# KiCad board panelized.kicad_pcb (continued)
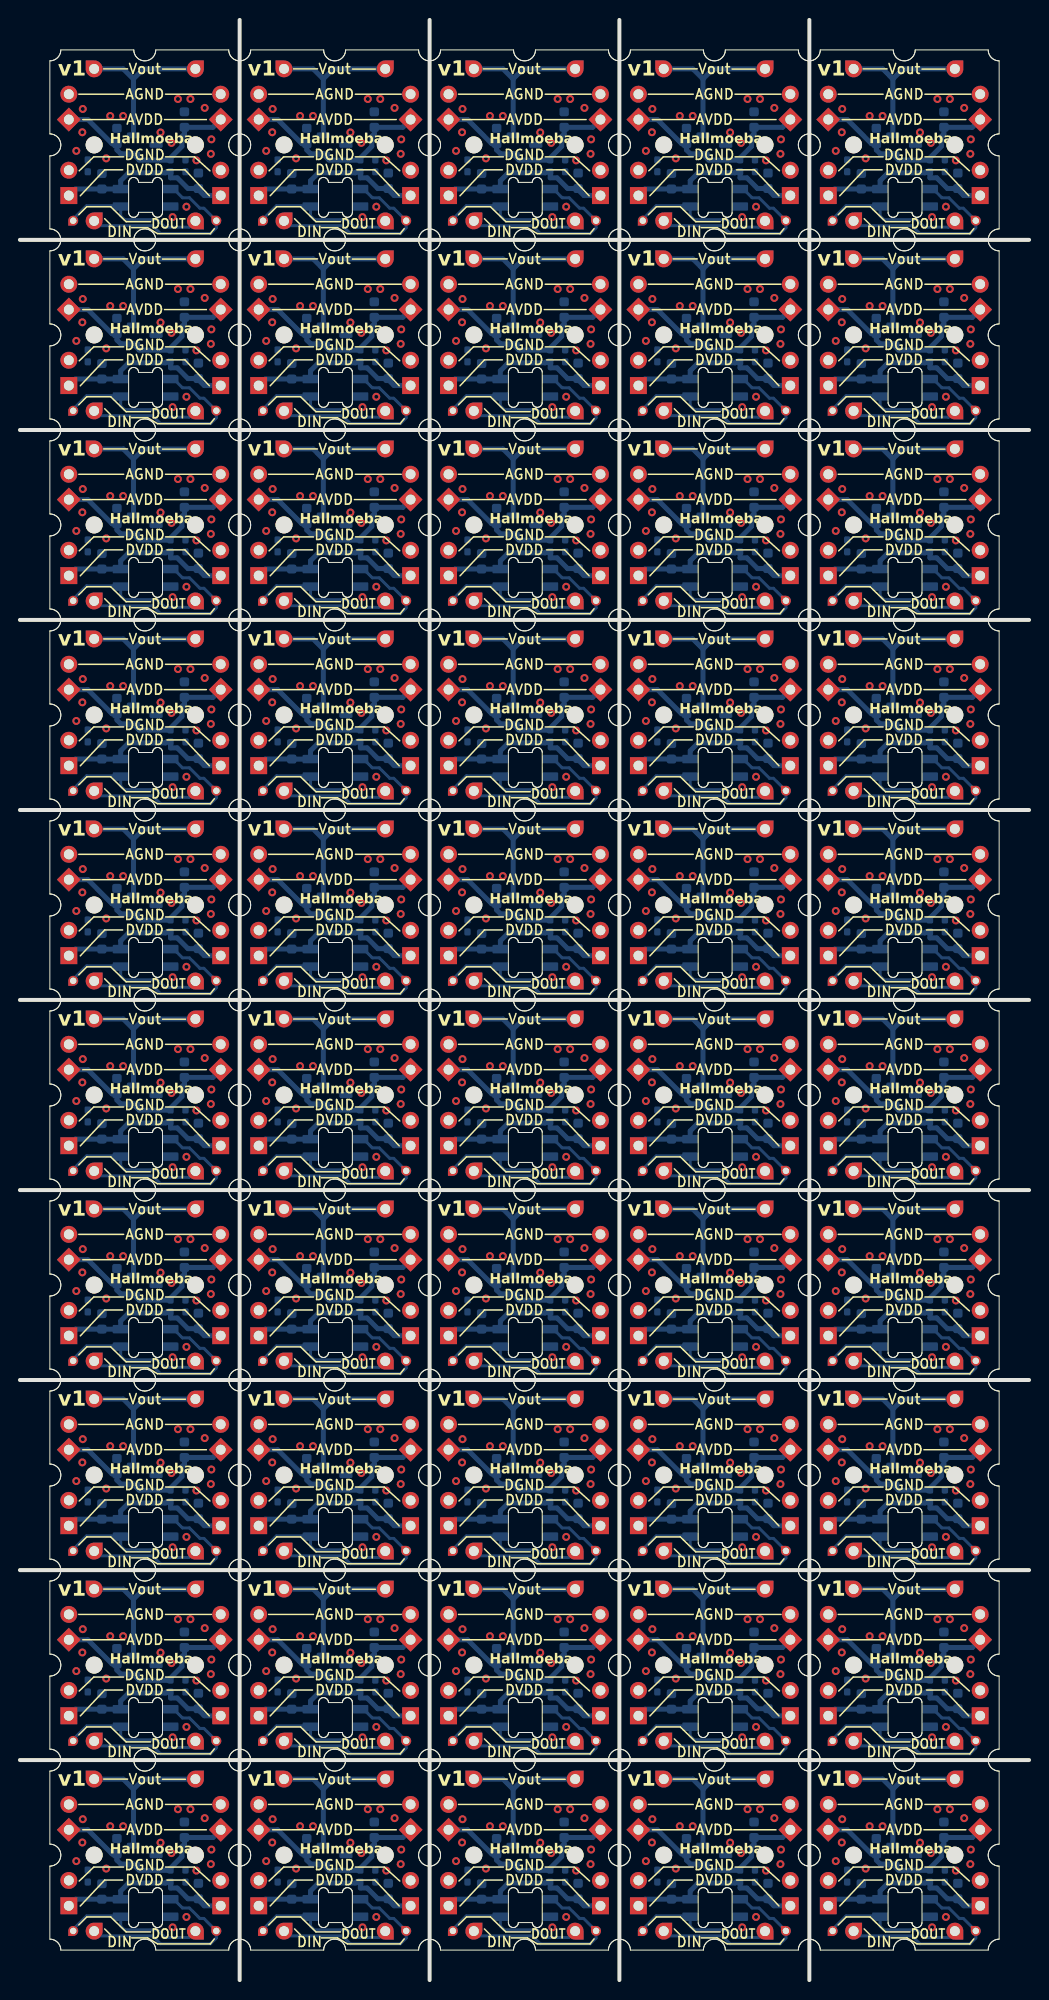
[diagram p0: board, top side]
## Routing (per net, layer and track width the routed paths; a pad name or vN(x,y) marks a point on that pad's centre or on a via; arc(x,y) is an arc through that point) (continued)
Board_12-LED_OUT: length 14.7
  Bottom w0.3: J11#16.1 43.44,138.44 44.78,139.78 48.13,139.78 D1#41.2 48.21,138.77 48.59,138.38 51.9,138.38 52.66,137.62 55.07,137.62 J12#7.1
Board_12-VDD: length 17.9
  Bottom w0.5: C2#17.2 54.96,141.5 53.88,142.57 53.21,142.57 R3#24.1 52.81,143.18 52.71,143.07 49,143.07 48.21,142.28 D1#41.1 46.33,141.45 C1#22.2 43.67,141.46 J2#17.1 ; J1#49.1 56.59,140.8 56.09,141.3
Board_12-VDDA: length 20.1
  Bottom w0.5: J6#3.1 57.47,147.64 C3#4.2 54.6,146.97 54.35,146.72 54.35,145.72 53.21,144.57 R3#24.2 53.18,144.35 50.06,144.35 U1.1 49.43,144.99 48.21,144.99 47.83,145.37 C4#30.2 47.34,145.99 44.91,148.42 J5#42.1
Board_12-Vout: length 16.7
  Bottom w0.5: U1.2 49.49,152.47 ; 49.49,152.47 49.49,152.48 50.5,153.5 J9#48.1 ; 49.49,152.47 48.47,153.5 J10#39.1
Board_13-GNDA:
  vias: v1(62.81,145.28) v1(63.46,149.47) v1(63.41,147.14) v1(65.81,144.53) v1(66.21,148.78) v1(67.5,148.78) v1(71.25,147.12) v1(72.35,146.07) v1(73,150.47) v1(74.25,150.47) v1(74.85,144.32) v1(75.69,149.58) v1(76.36,146.43) v1(76.31,144.97)
Board_13-GNDD:
  vias: v1(72.47,138.64) v1(73.85,139.68)
Board_13-LED_IN: length 19.7
  Bottom w0.3: D1#48.4 72.58,141.45 73.46,140.57 74.16,140.57 75.21,139.53 75.6,139.53 J13#41.1 76.85,137.56 76.28,136.99 71.25,136.99 70.46,137.78 65.07,137.78 J14#37.1
Board_13-LED_OUT: length 14.7
  Bottom w0.3: J12#27.1 74.12,137.62 71.71,137.62 70.94,138.38 67.64,138.38 67.25,138.77 D1#48.2 67.18,139.78 63.83,139.78 62.5,138.44 J11#19.1
Board_13-VDD: length 17.9
  Bottom w0.5: C2#48.2 74.01,141.5 72.93,142.57 72.25,142.57 R3#32.1 71.86,143.18 71.75,143.07 68.06,143.07 67.25,142.28 D1#48.1 65.38,141.45 C1#24.2 62.72,141.46 J2#35.1 ; 75.14,141.3 75.64,140.8 J1#46.1
Board_13-VDDA: length 20.1
  Bottom w0.5: J5#29.1 63.96,148.42 66.39,145.99 C4#24.2 66.88,145.37 67.26,144.99 68.48,144.99 U1#50.1 69.11,144.35 72.23,144.35 R3#32.2 72.25,144.57 73.41,145.72 73.41,146.72 73.66,146.97 C3#15.2 76.52,147.64 J6#25.1
Board_13-Vout: length 16.7
  Bottom w0.5: 68.54,152.47 68.54,152.48 69.55,153.5 J9#45.1 ; 68.54,152.47 67.52,153.5 J10#22.1 ; 68.54,152.47 U1#50.2
Board_14-GNDA:
  vias: v1(81.85,145.28) v1(82.46,147.14) v1(82.5,149.47) v1(84.85,144.53) v1(85.25,148.78) v1(86.56,148.78) v1(90.31,147.12) v1(91.41,146.07) v1(92.06,150.47) v1(93.31,150.47) v1(93.91,144.32) v1(94.74,149.58) v1(95.35,144.97) v1(95.41,146.43)
Board_14-GNDD:
  vias: v1(91.52,138.64) v1(92.91,139.68)
Board_14-LED_IN: length 19.7
  Bottom w0.3: J14#46.1 84.12,137.78 89.5,137.78 90.29,136.99 95.33,136.99 95.91,137.56 J13#29.1 94.66,139.53 94.25,139.53 93.21,140.57 92.5,140.57 91.63,141.45 D1#11.4
Board_14-LED_OUT: length 14.7
  Bottom w0.3: J11#29.1 81.54,138.44 82.88,139.78 86.23,139.78 D1#11.2 86.31,138.77 86.69,138.38 90,138.38 90.76,137.62 93.17,137.62 J12#30.1
Board_14-VDD: length 17.9
  Bottom w0.5: J2#32.1 81.77,141.46 C1#40.2 84.43,141.45 D1#11.1 86.31,142.28 87.1,143.07 90.81,143.07 90.91,143.18 R3#22.1 91.31,142.57 91.98,142.57 93.06,141.5 C2#28.2 ; 94.19,141.3 94.69,140.8 J1#17.1
Board_14-VDDA: length 20.1
  Bottom w0.5: J6#31.1 95.57,147.64 C3#41.2 92.71,146.97 92.46,146.72 92.46,145.72 91.31,144.57 R3#22.2 91.28,144.35 88.16,144.35 U1#24.1 87.53,144.99 86.31,144.99 85.93,145.37 C4#49.2 85.44,145.99 83.01,148.42 J5#17.1
Board_14-Vout: length 16.7
  Bottom w0.5: J9#38.1 88.6,153.5 87.59,152.48 87.59,152.47 ; 87.59,152.47 86.57,153.5 J10#36.1 ; 87.59,152.47 U1#24.2
Board_15-GNDA:
  vias: v1(5.66,126.22) v1(6.26,128.09) v1(6.31,130.43) v1(8.66,125.47) v1(9.06,129.72) v1(10.36,129.72) v1(14.11,128.07) v1(15.2,127.03) v1(15.86,131.43) v1(17.11,131.43) v1(17.7,125.28) v1(18.54,130.53) v1(19.16,125.92) v1(19.21,127.38)
Board_15-GNDD:
  vias: v1(15.32,119.59) v1(16.7,120.62)
Board_15-LED_IN: length 19.7
  Bottom w0.3: J14#29.1 7.92,118.72 13.31,118.72 14.09,117.94 19.13,117.94 19.7,118.51 J13#42.1 18.45,120.47 18.06,120.47 17,121.53 16.31,121.53 15.43,122.4 D1#4.4
Board_15-LED_OUT: length 14.7
  Bottom w0.3: J11#24.1 5.34,119.39 6.68,120.73 10.03,120.73 D1#4.2 10.11,119.72 10.49,119.33 13.8,119.33 14.56,118.57 16.97,118.57 J12#46.1
Board_15-VDD: length 17.9
  Bottom w0.5: J1#47.1 18.49,121.75 17.99,122.25 ; C2#31.2 16.86,122.45 15.78,123.53 15.11,123.53 R3#46.1 14.71,124.13 14.61,124.03 10.91,124.03 10.11,123.22 D1#4.1 8.23,122.4 C1#50.2 5.57,122.41 J2#25.1
Board_15-VDDA: length 20.1
  Bottom w0.5: J5#23.1 6.81,129.37 9.24,126.94 C4#43.2 9.73,126.32 10.11,125.94 11.33,125.94 U1#38.1 11.96,125.3 15.08,125.3 R3#46.2 15.11,125.53 16.25,126.67 16.25,127.67 16.5,127.92 C3#8.2 19.37,128.59 J6#6.1
Board_15-Vout: length 16.7
  Bottom w0.5: 11.39,133.42 11.39,133.43 12.4,134.44 J9#44.1 ; 11.39,133.42 10.37,134.44 J10#8.1 ; 11.39,133.42 U1#38.2
Board_16-GNDA:
  vias: v1(24.7,126.22) v1(25.36,130.43) v1(25.31,128.09) v1(27.7,125.47) v1(28.11,129.72) v1(29.41,129.72) v1(33.16,128.07) v1(34.25,127.03) v1(34.91,131.43) v1(36.16,131.43) v1(36.75,125.28) v1(37.59,130.53) v1(38.26,127.38) v1(38.21,125.92)
Board_16-GNDD:
  vias: v1(34.37,119.59) v1(35.75,120.62)
Board_16-LED_IN: length 19.7
  Bottom w0.3: J14#7.1 26.97,118.72 32.35,118.72 33.15,117.94 38.18,117.94 38.75,118.51 J13#49.1 37.5,120.47 37.1,120.47 36.06,121.53 35.35,121.53 34.48,122.4 D1#19.4
Board_16-LED_OUT: length 14.7
  Bottom w0.3: J12#12.1 36.02,118.57 33.61,118.57 32.84,119.33 29.54,119.33 29.16,119.72 D1#19.2 29.08,120.73 25.73,120.73 24.39,119.39 J11#13.1
Board_16-VDD: length 17.9
  Bottom w0.5: C2#14.2 35.91,122.45 34.83,123.53 34.16,123.53 R3#50.1 33.76,124.13 33.66,124.03 29.95,124.03 29.16,123.22 D1#19.1 27.28,122.4 C1#14.2 24.62,122.41 J2#12.1 ; 37.04,122.25 37.54,121.75 J1#7.1
Board_16-VDDA: length 20.1
  Bottom w0.5: J6#22.1 38.42,128.59 C3#43.2 35.56,127.92 35.31,127.67 35.31,126.67 34.16,125.53 R3#50.2 34.13,125.3 31.01,125.3 U1#3.1 30.38,125.94 29.16,125.94 28.78,126.32 C4#20.2 28.29,126.94 25.86,129.37 J5#15.1
Board_16-Vout: length 16.7
  Bottom w0.5: 30.44,133.42 29.42,134.44 J10#18.1 ; 30.44,133.42 30.44,133.43 31.45,134.44 J9#7.1 ; 30.44,133.42 U1#3.2
Board_17-GNDA:
  vias: v1(43.75,126.22) v1(44.36,128.09) v1(44.41,130.43) v1(46.75,125.47) v1(47.16,129.72) v1(48.46,129.72) v1(52.21,128.07) v1(53.31,127.03) v1(53.96,131.43) v1(55.21,131.43) v1(55.81,125.28) v1(56.64,130.53) v1(57.25,125.92) v1(57.31,127.38)
Board_17-GNDD:
  vias: v1(53.42,119.59) v1(54.81,120.62)
Board_17-LED_IN: length 19.7
  Bottom w0.3: D1#47.4 53.53,122.4 54.41,121.53 55.1,121.53 56.16,120.47 56.56,120.47 J13#11.1 57.81,118.51 57.23,117.94 52.19,117.94 51.41,118.72 46.03,118.72 J14#21.1
Board_17-LED_OUT: length 14.7
  Bottom w0.3: J11#41.1 43.44,119.39 44.78,120.73 48.13,120.73 D1#47.2 48.21,119.72 48.59,119.33 51.9,119.33 52.66,118.57 55.07,118.57 J12#39.1
Board_17-VDD: length 17.9
  Bottom w0.5: 56.09,122.25 56.59,121.75 J1#19.1 ; J2#28.1 43.67,122.41 C1#4.2 46.33,122.4 D1#47.1 48.21,123.22 49,124.03 52.71,124.03 52.81,124.13 R3#43.1 53.21,123.53 53.88,123.53 54.96,122.45 C2#49.2
Board_17-VDDA: length 20.1
  Bottom w0.5: J5#5.1 44.91,129.37 47.34,126.94 C4#28.2 47.83,126.32 48.21,125.94 49.43,125.94 U1#31.1 50.06,125.3 53.18,125.3 R3#43.2 53.21,125.53 54.35,126.67 54.35,127.67 54.6,127.92 C3#36.2 57.47,128.59 J6#20.1
Board_17-Vout: length 16.7
  Bottom w0.5: U1#31.2 49.49,133.42 ; 49.49,133.42 49.49,133.43 50.5,134.44 J9#37.1 ; 49.49,133.42 48.47,134.44 J10#30.1
Board_18-GNDA:
  vias: v1(62.81,126.22) v1(63.46,130.43) v1(63.41,128.09) v1(65.81,125.47) v1(66.21,129.72) v1(67.5,129.72) v1(71.25,128.07) v1(72.35,127.03) v1(73,131.43) v1(74.25,131.43) v1(74.85,125.28) v1(75.69,130.53) v1(76.36,127.38) v1(76.31,125.92)
Board_18-GNDD:
  vias: v1(72.47,119.59) v1(73.85,120.62)
Board_18-LED_IN: length 19.7
  Bottom w0.3: J14#33.1 65.07,118.72 70.46,118.72 71.25,117.94 76.28,117.94 76.85,118.51 J13#30.1 75.6,120.47 75.21,120.47 74.16,121.53 73.46,121.53 72.58,122.4 D1#26.4
Board_18-LED_OUT: length 14.7
  Bottom w0.3: J11#36.1 62.5,119.39 63.83,120.73 67.18,120.73 D1#26.2 67.25,119.72 67.64,119.33 70.94,119.33 71.71,118.57 74.12,118.57 J12#34.1
Board_18-VDD: length 17.9
  Bottom w0.5: J1#37.1 75.64,121.75 75.14,122.25 ; C2#27.2 74.01,122.45 72.93,123.53 72.25,123.53 R3#5.1 71.86,124.13 71.75,124.03 68.06,124.03 67.25,123.22 D1#26.1 65.38,122.4 C1#31.2 62.72,122.41 J2#42.1
Board_18-VDDA: length 20.1
  Bottom w0.5: J6#38.1 76.52,128.59 C3#33.2 73.66,127.92 73.41,127.67 73.41,126.67 72.25,125.53 R3#5.2 72.23,125.3 69.11,125.3 U1#34.1 68.48,125.94 67.26,125.94 66.88,126.32 C4#17.2 66.39,126.94 63.96,129.37 J5#43.1
Board_18-Vout: length 16.7
  Bottom w0.5: J9#35.1 69.55,134.44 68.54,133.43 68.54,133.42 ; U1#34.2 68.54,133.42 ; 68.54,133.42 67.52,134.44 J10.1
Board_19-GNDA:
  vias: v1(81.85,126.22) v1(82.46,128.09) v1(82.5,130.43) v1(84.85,125.47) v1(85.25,129.72) v1(86.56,129.72) v1(90.31,128.07) v1(91.41,127.03) v1(92.06,131.43) v1(93.31,131.43) v1(93.91,125.28) v1(94.74,130.53) v1(95.35,125.92) v1(95.41,127.38)
Board_19-GNDD:
  vias: v1(91.52,119.59) v1(92.91,120.62)
Board_19-LED_IN: length 19.7
  Bottom w0.3: D1#8.4 91.63,122.4 92.5,121.53 93.21,121.53 94.25,120.47 94.66,120.47 J13#39.1 95.91,118.51 95.33,117.94 90.29,117.94 89.5,118.72 84.12,118.72 J14#16.1
Board_19-LED_OUT: length 14.7
  Bottom w0.3: J12#29.1 93.17,118.57 90.76,118.57 90,119.33 86.69,119.33 86.31,119.72 D1#8.2 86.23,120.73 82.88,120.73 81.54,119.39 J11#43.1
Board_19-VDD: length 17.9
  Bottom w0.5: J1#22.1 94.69,121.75 94.19,122.25 ; C2#35.2 93.06,122.45 91.98,123.53 91.31,123.53 R3#44.1 90.91,124.13 90.81,124.03 87.1,124.03 86.31,123.22 D1#8.1 84.43,122.4 C1#12.2 81.77,122.41 J2#26.1
Board_19-VDDA: length 20.1
  Bottom w0.5: J6#24.1 95.57,128.59 C3#37.2 92.71,127.92 92.46,127.67 92.46,126.67 91.31,125.53 R3#44.2 91.28,125.3 88.16,125.3 U1#39.1 87.53,125.94 86.31,125.94 85.93,126.32 C4#37.2 85.44,126.94 83.01,129.37 J5#24.1
Board_19-Vout: length 16.7
  Bottom w0.5: J9#12.1 88.6,134.44 87.59,133.43 87.59,133.42 ; U1#39.2 87.59,133.42 ; 87.59,133.42 86.57,134.44 J10#17.1
Board_20-GNDA:
  vias: v1(5.66,107.17) v1(6.26,109.04) v1(6.31,111.38) v1(8.66,106.42) v1(9.06,110.67) v1(10.36,110.67) v1(14.11,109.03) v1(15.2,107.97) v1(15.86,112.38) v1(17.11,112.38) v1(17.7,106.22) v1(18.54,111.48) v1(19.16,106.88) v1(19.21,108.33)
Board_20-GNDD:
  vias: v1(15.32,100.54) v1(16.7,101.58)
Board_20-LED_IN: length 19.7
  Bottom w0.3: J14#4.1 7.92,99.67 13.31,99.67 14.09,98.89 19.13,98.89 19.7,99.46 J13#47.1 18.45,101.42 18.06,101.42 17,102.47 16.31,102.47 15.43,103.35 D1#46.4
Board_20-LED_OUT: length 14.7
  Bottom w0.3: J12#24.1 16.97,99.52 14.56,99.52 13.8,100.28 10.49,100.28 10.11,100.67 D1#46.2 10.03,101.68 6.68,101.68 5.34,100.34 J11#6.1
Board_20-VDD: length 17.9
  Bottom w0.5: J2#18.1 5.57,103.36 C1#13.2 8.23,103.35 D1#46.1 10.11,104.17 10.91,104.97 14.61,104.97 14.71,105.08 R3#47.1 15.11,104.47 15.78,104.47 16.86,103.4 C2#43.2 ; 17.99,103.2 18.49,102.69 J1#16.1
Board_20-VDDA: length 20.1
  Bottom w0.5: J6#40.1 19.37,109.54 C3#38.2 16.5,108.88 16.25,108.62 16.25,107.62 15.11,106.47 R3#47.2 15.08,106.25 11.96,106.25 U1#43.1 11.33,106.89 10.11,106.89 9.73,107.27 C4#3.2 9.24,107.89 6.81,110.31 J5#14.1
Board_20-Vout: length 16.7
  Bottom w0.5: 11.39,114.37 10.37,115.39 J10#19.1 ; 11.39,114.37 11.39,108.72 ; 11.39,114.37 11.39,114.38 12.4,115.39 J9.1
Board_21-GNDA:
  vias: v1(24.7,107.17) v1(25.36,111.38) v1(25.31,109.04) v1(27.7,106.42) v1(28.11,110.67) v1(29.41,110.67) v1(33.16,109.03) v1(34.25,107.97) v1(34.91,112.38) v1(36.16,112.38) v1(36.75,106.22) v1(37.59,111.48) v1(38.26,108.33) v1(38.21,106.88)
Board_21-GNDD:
  vias: v1(34.37,100.54) v1(35.75,101.58)
Board_21-LED_IN: length 19.7
  Bottom w0.3: J14#12.1 26.97,99.67 32.35,99.67 33.15,98.89 38.18,98.89 38.75,99.46 J13#21.1 37.5,101.42 37.1,101.42 36.06,102.47 35.35,102.47 34.48,103.35 D1#16.4
Board_21-LED_OUT: length 14.7
  Bottom w0.3: J12#13.1 36.02,99.52 33.61,99.52 32.84,100.28 29.54,100.28 29.16,100.67 D1#16.2 29.08,101.68 25.73,101.68 24.39,100.34 J11#20.1
Board_21-VDD: length 17.9
  Bottom w0.5: J1#21.1 37.54,102.69 37.04,103.2 ; C2#37.2 35.91,103.4 34.83,104.47 34.16,104.47 R3#15.1 33.76,105.08 33.66,104.97 29.95,104.97 29.16,104.17 D1#16.1 27.28,103.35 C1#49.2 24.62,103.36 J2#2.1
Board_21-VDDA: length 20.1
  Bottom w0.5: J5#38.1 25.86,110.31 28.29,107.89 C4#27.2 28.78,107.27 29.16,106.89 30.38,106.89 U1#42.1 31.01,106.25 34.13,106.25 R3#15.2 34.16,106.47 35.31,107.62 35.31,108.62 35.56,108.88 C3#29.2 38.42,109.54 J6#34.1
Board_21-Vout: length 16.7
  Bottom w0.5: J10#4.1 29.42,115.39 30.44,114.37 ; J9#23.1 31.45,115.39 30.44,114.38 30.44,114.37 ; 30.44,114.37 30.44,108.72
Board_22-GNDA:
  vias: v1(43.75,107.17) v1(44.36,109.04) v1(44.41,111.38) v1(46.75,106.42) v1(47.16,110.67) v1(48.46,110.67) v1(52.21,109.03) v1(53.31,107.97) v1(53.96,112.38) v1(55.21,112.38) v1(55.81,106.22) v1(56.64,111.48) v1(57.25,106.88) v1(57.31,108.33)
Board_22-GNDD:
  vias: v1(53.42,100.54) v1(54.81,101.58)
Board_22-LED_IN: length 19.7
  Bottom w0.3: J14#30.1 46.03,99.67 51.41,99.67 52.19,98.89 57.23,98.89 57.81,99.46 J13#13.1 56.56,101.42 56.16,101.42 55.1,102.47 54.41,102.47 53.53,103.35 D1#40.4
Board_22-LED_OUT: length 14.7
  Bottom w0.3: J11#18.1 43.44,100.34 44.78,101.68 48.13,101.68 D1#40.2 48.21,100.67 48.59,100.28 51.9,100.28 52.66,99.52 55.07,99.52 J12#17.1
Board_22-VDD: length 17.9
  Bottom w0.5: 56.09,103.2 56.59,102.69 J1#32.1 ; C2#32.2 54.96,103.4 53.88,104.47 53.21,104.47 R3#26.1 52.81,105.08 52.71,104.97 49,104.97 48.21,104.17 D1#40.1 46.33,103.35 C1#47.2 43.67,103.36 J2#31.1
Board_22-VDDA: length 20.1
  Bottom w0.5: J6#50.1 57.47,109.54 C3#35.2 54.6,108.88 54.35,108.62 54.35,107.62 53.21,106.47 R3#26.2 53.18,106.25 50.06,106.25 U1#25.1 49.43,106.89 48.21,106.89 47.83,107.27 C4#45.2 47.34,107.89 44.91,110.31 J5#2.1
Board_22-Vout: length 16.7
  Bottom w0.5: 49.49,114.37 49.49,114.38 50.5,115.39 J9#13.1 ; 49.49,114.37 48.47,115.39 J10#45.1 ; 49.49,114.37 49.49,108.72
Board_23-GNDA:
  vias: v1(62.81,107.17) v1(63.46,111.38) v1(63.41,109.04) v1(65.81,106.42) v1(66.21,110.67) v1(67.5,110.67) v1(71.25,109.03) v1(72.35,107.97) v1(73,112.38) v1(74.25,112.38) v1(74.85,106.22) v1(75.69,111.48) v1(76.36,108.33) v1(76.31,106.88)
Board_23-GNDD:
  vias: v1(72.47,100.54) v1(73.85,101.58)
Board_23-LED_IN: length 19.7
  Bottom w0.3: J14#50.1 65.07,99.67 70.46,99.67 71.25,98.89 76.28,98.89 76.85,99.46 J13#9.1 75.6,101.42 75.21,101.42 74.16,102.47 73.46,102.47 72.58,103.35 D1#36.4
Board_23-LED_OUT: length 14.7
  Bottom w0.3: J12#16.1 74.12,99.52 71.71,99.52 70.94,100.28 67.64,100.28 67.25,100.67 D1#36.2 67.18,101.68 63.83,101.68 62.5,100.34 J11#25.1
Board_23-VDD: length 17.9
  Bottom w0.5: J1#50.1 75.64,102.69 75.14,103.2 ; C2#6.2 74.01,103.4 72.93,104.47 72.25,104.47 R3#20.1 71.86,105.08 71.75,104.97 68.06,104.97 67.25,104.17 D1#36.1 65.38,103.35 C1#26.2 62.72,103.36 J2#39.1
Board_23-VDDA: length 20.1
  Bottom w0.5: J5#8.1 63.96,110.31 66.39,107.89 C4#33.2 66.88,107.27 67.26,106.89 68.48,106.89 U1#37.1 69.11,106.25 72.23,106.25 R3#20.2 72.25,106.47 73.41,107.62 73.41,108.62 73.66,108.88 C3#49.2 76.52,109.54 J6#41.1
Board_23-Vout: length 16.7
  Bottom w0.5: 68.54,108.72 68.54,114.37 ; 68.54,114.37 67.52,115.39 J10#49.1 ; 68.54,114.37 68.54,114.38 69.55,115.39 J9#49.1
Board_24-GNDA:
  vias: v1(81.85,107.17) v1(82.46,109.04) v1(82.5,111.38) v1(84.85,106.42) v1(85.25,110.67) v1(86.56,110.67) v1(90.31,109.03) v1(91.41,107.97) v1(92.06,112.38) v1(93.31,112.38) v1(93.91,106.22) v1(94.74,111.48) v1(95.35,106.88) v1(95.41,108.33)
Board_24-GNDD:
  vias: v1(91.52,100.54) v1(92.91,101.58)
Board_24-LED_IN: length 19.7
  Bottom w0.3: J14#28.1 84.12,99.67 89.5,99.67 90.29,98.89 95.33,98.89 95.91,99.46 J13#4.1 94.66,101.42 94.25,101.42 93.21,102.47 92.5,102.47 91.63,103.35 D1#14.4
Board_24-LED_OUT: length 14.7
  Bottom w0.3: J11#12.1 81.54,100.34 82.88,101.68 86.23,101.68 D1#14.2 86.31,100.67 86.69,100.28 90,100.28 90.76,99.52 93.17,99.52 J12#5.1
Board_24-VDD: length 17.9
  Bottom w0.5: J2#20.1 81.77,103.36 C1#20.2 84.43,103.35 D1#14.1 86.31,104.17 87.1,104.97 90.81,104.97 90.91,105.08 R3#34.1 91.31,104.47 91.98,104.47 93.06,103.4 C2#5.2 ; 94.19,103.2 94.69,102.69 J1#12.1
Board_24-VDDA: length 20.1
  Bottom w0.5: J5#45.1 83.01,110.31 85.44,107.89 C4#8.2 85.93,107.27 86.31,106.89 87.53,106.89 U1#44.1 88.16,106.25 91.28,106.25 R3#34.2 91.31,106.47 92.46,107.62 92.46,108.62 92.71,108.88 C3#30.2 95.57,109.54 J6#36.1
Board_24-Vout: length 16.7
  Bottom w0.5: J9#30.1 88.6,115.39 87.59,114.38 87.59,114.37 ; 87.59,114.37 87.59,108.72 ; 87.59,114.37 86.57,115.39 J10#14.1
Board_25-GNDA:
  vias: v1(5.66,88.12) v1(6.26,89.99) v1(6.31,92.33) v1(8.66,87.38) v1(9.06,91.62) v1(10.36,91.62) v1(14.11,89.97) v1(15.2,88.92) v1(15.86,93.33) v1(17.11,93.33) v1(17.7,87.17) v1(18.54,92.43) v1(19.16,87.83) v1(19.21,89.28)
Board_25-GNDD:
  vias: v1(15.32,81.49) v1(16.7,82.53)
Board_25-LED_IN: length 19.7
  Bottom w0.3: D1#9.4 15.43,84.3 16.31,83.43 17,83.43 18.06,82.38 18.45,82.38 J13#46.1 19.7,80.41 19.13,79.84 14.09,79.84 13.31,80.62 7.92,80.62 J14.1
Board_25-LED_OUT: length 14.7
  Bottom w0.3: J12#47.1 16.97,80.47 14.56,80.47 13.8,81.23 10.49,81.23 10.11,81.62 D1#9.2 10.03,82.63 6.68,82.63 5.34,81.29 J11#45.1
Board_25-VDD: length 17.9
  Bottom w0.5: J2#16.1 5.57,84.31 C1#16.2 8.23,84.3 D1#9.1 10.11,85.12 10.91,85.92 14.61,85.92 14.71,86.03 R3#27.1 15.11,85.43 15.78,85.43 16.86,84.35 C2#13.2 ; 17.99,84.15 18.49,83.65 J1#40.1
Board_25-VDDA: length 20.1
  Bottom w0.5: J5#30.1 6.81,91.27 9.24,88.84 C4#48.2 9.73,88.22 10.11,87.84 11.33,87.84 11.96,87.2 15.08,87.2 R3#27.2 15.11,87.42 16.25,88.58 16.25,89.58 16.5,89.83 C3#11.2 19.37,90.49 J6#12.1
Board_25-Vout: length 16.7
  Bottom w0.5: U1#16.2 11.39,95.32 ; 11.39,95.32 10.37,96.34 J10#47.1 ; 11.39,95.32 11.39,95.33 12.4,96.34 J9#22.1
Board_26-GNDA:
  vias: v1(24.7,88.12) v1(25.36,92.33) v1(25.31,89.99) v1(27.7,87.38) v1(28.11,91.62) v1(29.41,91.62) v1(33.16,89.97) v1(34.25,88.92) v1(34.91,93.33) v1(36.16,93.33) v1(36.75,87.17) v1(37.59,92.43) v1(38.26,89.28) v1(38.21,87.83)
Board_26-GNDD:
  vias: v1(34.37,81.49) v1(35.75,82.53)
Board_26-LED_IN: length 19.7
  Bottom w0.3: D1#29.4 34.48,84.3 35.35,83.43 36.06,83.43 37.1,82.38 37.5,82.38 J13#14.1 38.75,80.41 38.18,79.84 33.15,79.84 32.35,80.62 26.97,80.62 J14#2.1
Board_26-LED_OUT: length 14.7
  Bottom w0.3: J11#11.1 24.39,81.29 25.73,82.63 29.08,82.63 D1#29.2 29.16,81.62 29.54,81.23 32.84,81.23 33.61,80.47 36.02,80.47 J12#21.1
Board_26-VDD: length 17.9
  Bottom w0.5: J2#4.1 24.62,84.31 C1#21.2 27.28,84.3 D1#29.1 29.16,85.12 29.95,85.92 33.66,85.92 33.76,86.03 R3#4.1 34.16,85.43 34.83,85.43 35.91,84.35 C2#4.2 ; 37.04,84.15 37.54,83.65 J1.1
Board_26-VDDA: length 20.1
  Bottom w0.5: J6#44.1 38.42,90.49 C3.2 35.56,89.83 35.31,89.58 35.31,88.58 34.16,87.42 R3#4.2 34.13,87.2 31.01,87.2 30.38,87.84 29.16,87.84 28.78,88.22 C4#7.2 28.29,88.84 25.86,91.27 J5#4.1
Board_26-Vout: length 16.7
  Bottom w0.5: J10#27.1 29.42,96.34 30.44,95.32 ; 30.44,95.32 30.44,95.33 31.45,96.34 J9#42.1 ; 30.44,95.32 U1#49.2
Board_27-GNDA:
  vias: v1(43.75,88.12) v1(44.36,89.99) v1(44.41,92.33) v1(46.75,87.38) v1(47.16,91.62) v1(48.46,91.62) v1(52.21,89.97) v1(53.31,88.92) v1(53.96,93.33) v1(55.21,93.33) v1(55.81,87.17) v1(56.64,92.43) v1(57.25,87.83) v1(57.31,89.28)
Board_27-GNDD:
  vias: v1(53.42,81.49) v1(54.81,82.53)
Board_27-LED_IN: length 19.7
  Bottom w0.3: D1#42.4 53.53,84.3 54.41,83.43 55.1,83.43 56.16,82.38 56.56,82.38 J13#22.1 57.81,80.41 57.23,79.84 52.19,79.84 51.41,80.62 46.03,80.62 J14#13.1
Board_27-LED_OUT: length 14.7
  Bottom w0.3: J11#10.1 43.44,81.29 44.78,82.63 48.13,82.63 D1#42.2 48.21,81.62 48.59,81.23 51.9,81.23 52.66,80.47 55.07,80.47 J12#41.1
Board_27-VDD: length 17.9
  Bottom w0.5: J2#44.1 43.67,84.31 C1#30.2 46.33,84.3 D1#42.1 48.21,85.12 49,85.92 52.71,85.92 52.81,86.03 R3#33.1 53.21,85.43 53.88,85.43 54.96,84.35 C2#25.2 ; 56.09,84.15 56.59,83.65 J1#9.1
Board_27-VDDA: length 20.1
  Bottom w0.5: J5#3.1 44.91,91.27 47.34,88.84 C4#29.2 47.83,88.22 48.21,87.84 49.43,87.84 50.06,87.2 53.18,87.2 R3#33.2 53.21,87.42 54.35,88.58 54.35,89.58 54.6,89.83 C3#5.2 57.47,90.49 J6.1
Board_27-Vout: length 16.7
  Bottom w0.5: J9#10.1 50.5,96.34 49.49,95.33 49.49,95.32 ; J10#7.1 48.47,96.34 49.49,95.32 ; 49.49,95.32 U1#15.2
Board_28-GNDA:
  vias: v1(62.81,88.12) v1(63.46,92.33) v1(63.41,89.99) v1(65.81,87.38) v1(66.21,91.62) v1(67.5,91.62) v1(71.25,89.97) v1(72.35,88.92) v1(73,93.33) v1(74.25,93.33) v1(74.85,87.17) v1(75.69,92.43) v1(76.36,89.28) v1(76.31,87.83)
Board_28-GNDD:
  vias: v1(72.47,81.49) v1(73.85,82.53)
Board_28-LED_IN: length 19.7
  Bottom w0.3: J14#34.1 65.07,80.62 70.46,80.62 71.25,79.84 76.28,79.84 76.85,80.41 J13#50.1 75.6,82.38 75.21,82.38 74.16,83.43 73.46,83.43 72.58,84.3 D1#45.4
Board_28-LED_OUT: length 14.7
  Bottom w0.3: J12#36.1 74.12,80.47 71.71,80.47 70.94,81.23 67.64,81.23 67.25,81.62 D1#45.2 67.18,82.63 63.83,82.63 62.5,81.29 J11#44.1
Board_28-VDD: length 17.9
  Bottom w0.5: C2#47.2 74.01,84.35 72.93,85.43 72.25,85.43 R3#6.1 71.86,86.03 71.75,85.92 68.06,85.92 67.25,85.12 D1#45.1 65.38,84.3 C1#43.2 62.72,84.31 J2#36.1 ; 75.14,84.15 75.64,83.65 J1#13.1
Board_28-VDDA: length 20.1
  Bottom w0.5: J5#46.1 63.96,91.27 66.39,88.84 C4#47.2 66.88,88.22 67.26,87.84 68.48,87.84 69.11,87.2 72.23,87.2 R3#6.2 72.25,87.42 73.41,88.58 73.41,89.58 73.66,89.83 C3#22.2 76.52,90.49 J6#13.1
Board_28-Vout: length 16.7
  Bottom w0.5: U1#6.2 68.54,95.32 ; 68.54,95.32 67.52,96.34 J10#5.1 ; 68.54,95.32 68.54,95.33 69.55,96.34 J9#40.1
Board_29-GNDA:
  vias: v1(81.85,88.12) v1(82.46,89.99) v1(82.5,92.33) v1(84.85,87.38) v1(85.25,91.62) v1(86.56,91.62) v1(90.31,89.97) v1(91.41,88.92) v1(92.06,93.33) v1(93.31,93.33) v1(93.91,87.17) v1(94.74,92.43) v1(95.35,87.83) v1(95.41,89.28)
Board_29-GNDD:
  vias: v1(91.52,81.49) v1(92.91,82.53)
Board_29-LED_IN: length 19.7
  Bottom w0.3: D1.4 91.63,84.3 92.5,83.43 93.21,83.43 94.25,82.38 94.66,82.38 J13#32.1 95.91,80.41 95.33,79.84 90.29,79.84 89.5,80.62 84.12,80.62 J14#25.1
Board_29-LED_OUT: length 14.7
  Bottom w0.3: J11#34.1 81.54,81.29 82.88,82.63 86.23,82.63 D1.2 86.31,81.62 86.69,81.23 90,81.23 90.76,80.47 93.17,80.47 J12#14.1
Board_29-VDD: length 17.9
  Bottom w0.5: J2#40.1 81.77,84.31 C1#10.2 84.43,84.3 D1.1 86.31,85.12 87.1,85.92 90.81,85.92 90.91,86.03 R3#2.1 91.31,85.43 91.98,85.43 93.06,84.35 C2#42.2 ; J1#2.1 94.69,83.65 94.19,84.15
Board_29-VDDA: length 20.1
  Bottom w0.5: J6#19.1 95.57,90.49 C3#40.2 92.71,89.83 92.46,89.58 92.46,88.58 91.31,87.42 R3#2.2 91.28,87.2 88.16,87.2 87.53,87.84 86.31,87.84 85.93,88.22 C4#6.2 85.44,88.84 83.01,91.27 J5#44.1
Board_29-Vout: length 16.7
  Bottom w0.5: J9#19.1 88.6,96.34 87.59,95.33 87.59,95.32 ; U1#36.2 87.59,95.32 ; 87.59,95.32 86.57,96.34 J10#10.1
Board_30-GNDA:
  vias: v1(5.66,69.07) v1(6.26,70.94) v1(6.31,73.28) v1(8.66,68.32) v1(9.06,72.57) v1(10.36,72.57) v1(14.11,70.93) v1(15.2,69.88) v1(15.86,74.28) v1(17.11,74.28) v1(17.7,68.12) v1(18.54,73.38) v1(19.16,68.78) v1(19.21,70.23)
Board_30-GNDD:
  vias: v1(15.32,62.44) v1(16.7,63.47)
Board_30-LED_IN: length 19.7
  Bottom w0.3: J14#49.1 7.92,61.57 13.31,61.57 14.09,60.78 19.13,60.78 19.7,61.36 J13#18.1 18.45,63.32 18.06,63.32 17,64.38 16.31,64.38 15.43,65.25 D1#35.4
Board_30-LED_OUT: length 14.7
  Bottom w0.3: J12#18.1 16.97,61.42 14.56,61.42 13.8,62.18 10.49,62.18 10.11,62.57 D1#35.2 10.03,63.58 6.68,63.58 5.34,62.24 J11#3.1
Board_30-VDD: length 17.9
  Bottom w0.5: C2#15.2 16.86,65.3 15.78,66.38 15.11,66.38 R3#38.1 14.71,66.98 14.61,66.88 10.91,66.88 10.11,66.07 D1#35.1 8.23,65.25 C1#3.2 5.57,65.26 J2#49.1 ; 17.99,65.1 18.49,64.59 J1#43.1
Board_30-VDDA: length 20.1
  Bottom w0.5: J6#7.1 19.37,71.44 C3#44.2 16.5,70.78 16.25,70.53 16.25,69.53 15.11,68.38 R3#38.2 15.08,68.15 11.96,68.15 11.33,68.79 10.11,68.79 9.73,69.17 C4#10.2 9.24,69.79 6.81,72.22 J5#34.1
Board_30-Vout: length 16.7
  Bottom w0.5: J9#39.1 12.4,77.29 11.39,76.28 11.39,76.27 ; J10#32.1 10.37,77.29 11.39,76.27 ; U1#33.2 11.39,76.27
Board_31-GNDA:
  vias: v1(24.7,69.07) v1(25.36,73.28) v1(25.31,70.94) v1(27.7,68.32) v1(28.11,72.57) v1(29.41,72.57) v1(33.16,70.93) v1(34.25,69.88) v1(34.91,74.28) v1(36.16,74.28) v1(36.75,68.12) v1(37.59,73.38) v1(38.26,70.23) v1(38.21,68.78)
Board_31-GNDD:
  vias: v1(34.37,62.44) v1(35.75,63.47)
Board_31-LED_IN: length 19.7
  Bottom w0.3: D1#13.4 34.48,65.25 35.35,64.38 36.06,64.38 37.1,63.32 37.5,63.32 J13#48.1 38.75,61.36 38.18,60.78 33.15,60.78 32.35,61.57 26.97,61.57 J14#36.1
Board_31-LED_OUT: length 14.7
  Bottom w0.3: J12#23.1 36.02,61.42 33.61,61.42 32.84,62.18 29.54,62.18 29.16,62.57 D1#13.2 29.08,63.58 25.73,63.58 24.39,62.24 J11#42.1
Board_31-VDD: length 17.9
  Bottom w0.5: 37.04,65.1 37.54,64.59 J1#4.1 ; C2#8.2 35.91,65.3 34.83,66.38 34.16,66.38 R3#45.1 33.76,66.98 33.66,66.88 29.95,66.88 29.16,66.07 D1#13.1 27.28,65.25 C1#27.2 24.62,65.26 J2#46.1
Board_31-VDDA: length 20.1
  Bottom w0.5: J6#14.1 38.42,71.44 C3#14.2 35.56,70.78 35.31,70.53 35.31,69.53 34.16,68.38 R3#45.2 34.13,68.15 31.01,68.15 30.38,68.79 29.16,68.79 28.78,69.17 C4#9.2 28.29,69.79 25.86,72.22 J5#19.1
